# Altium PCB BCS1_REV2.2.PcbDoc (part 1 of 4) (continued)
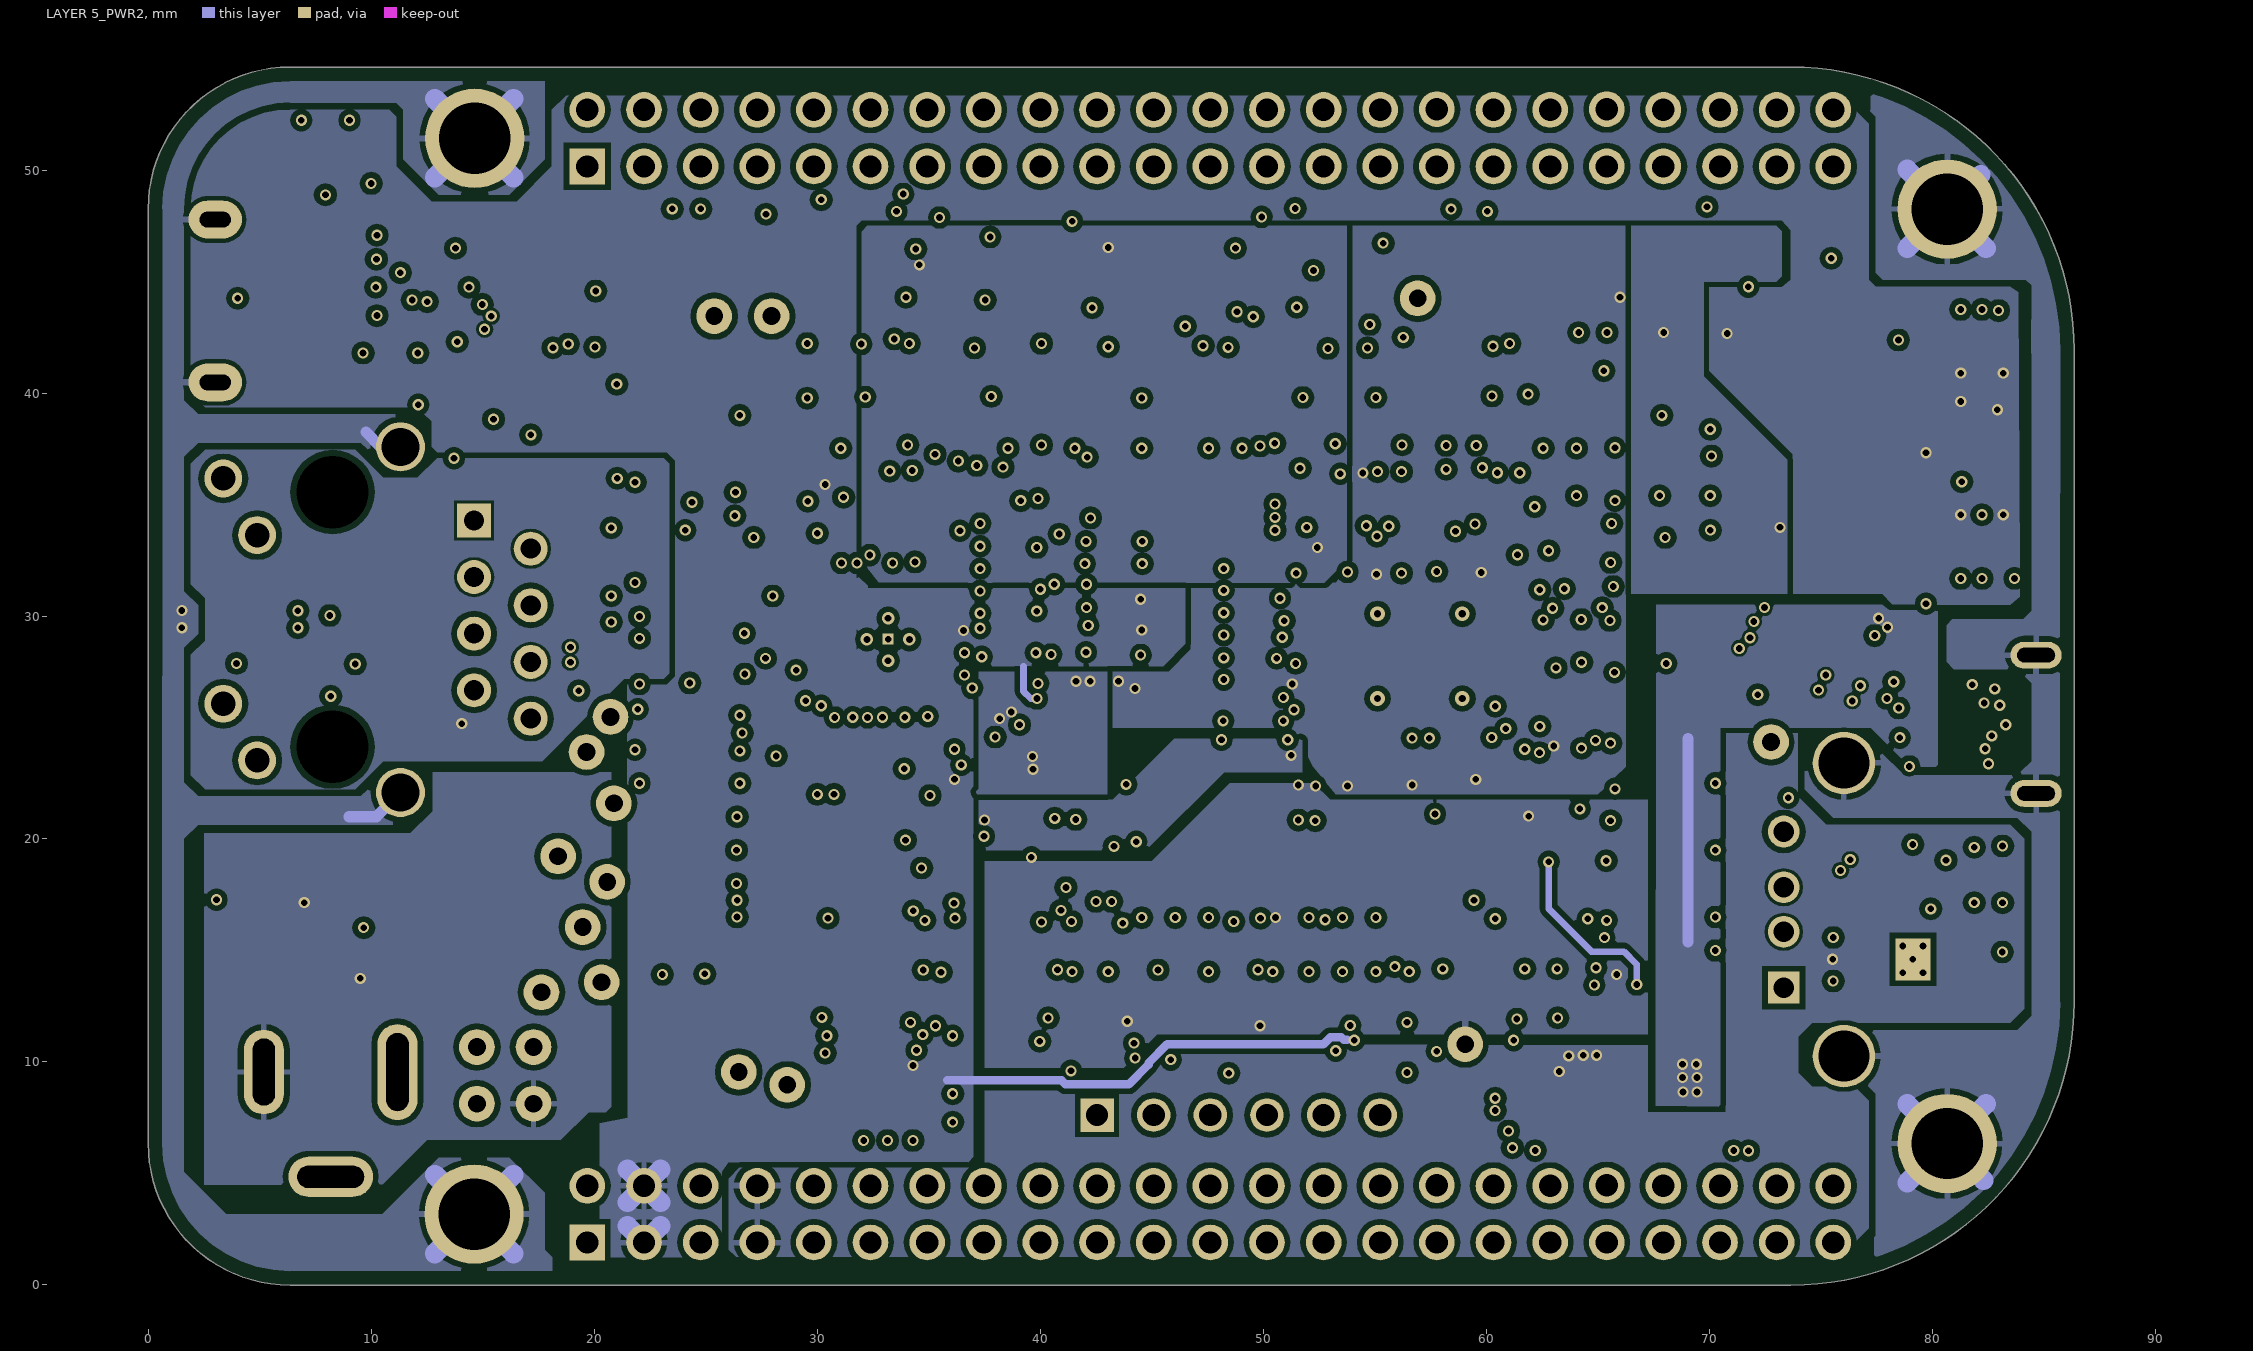
[diagram p5: LAYER 5_PWR2]
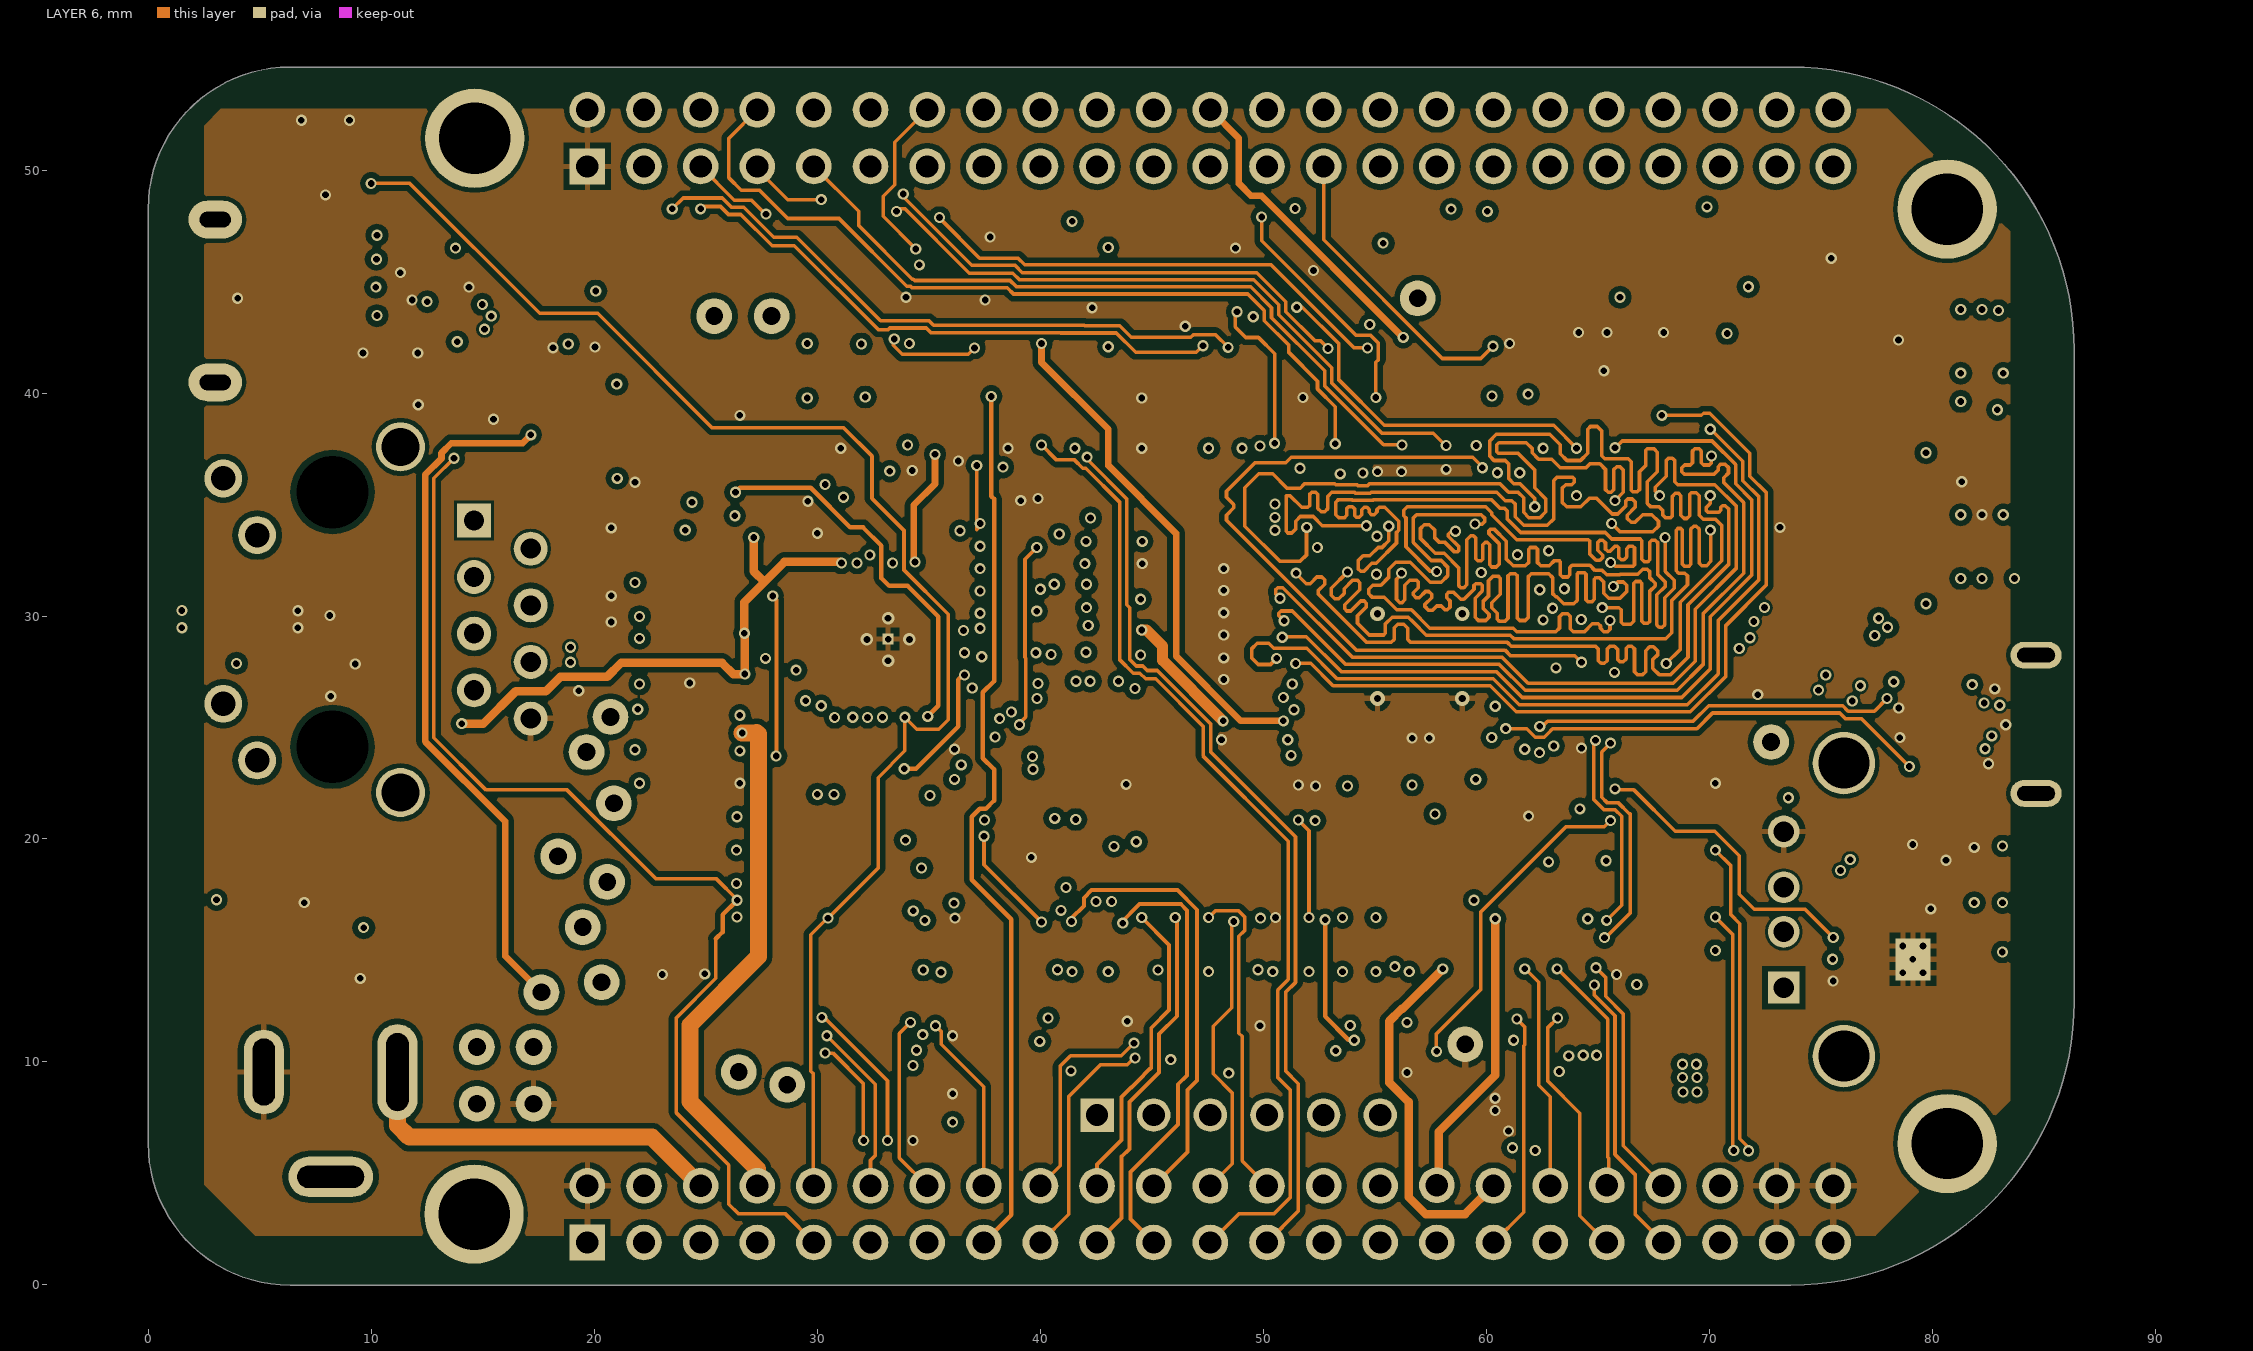
[diagram p6: LAYER 6]
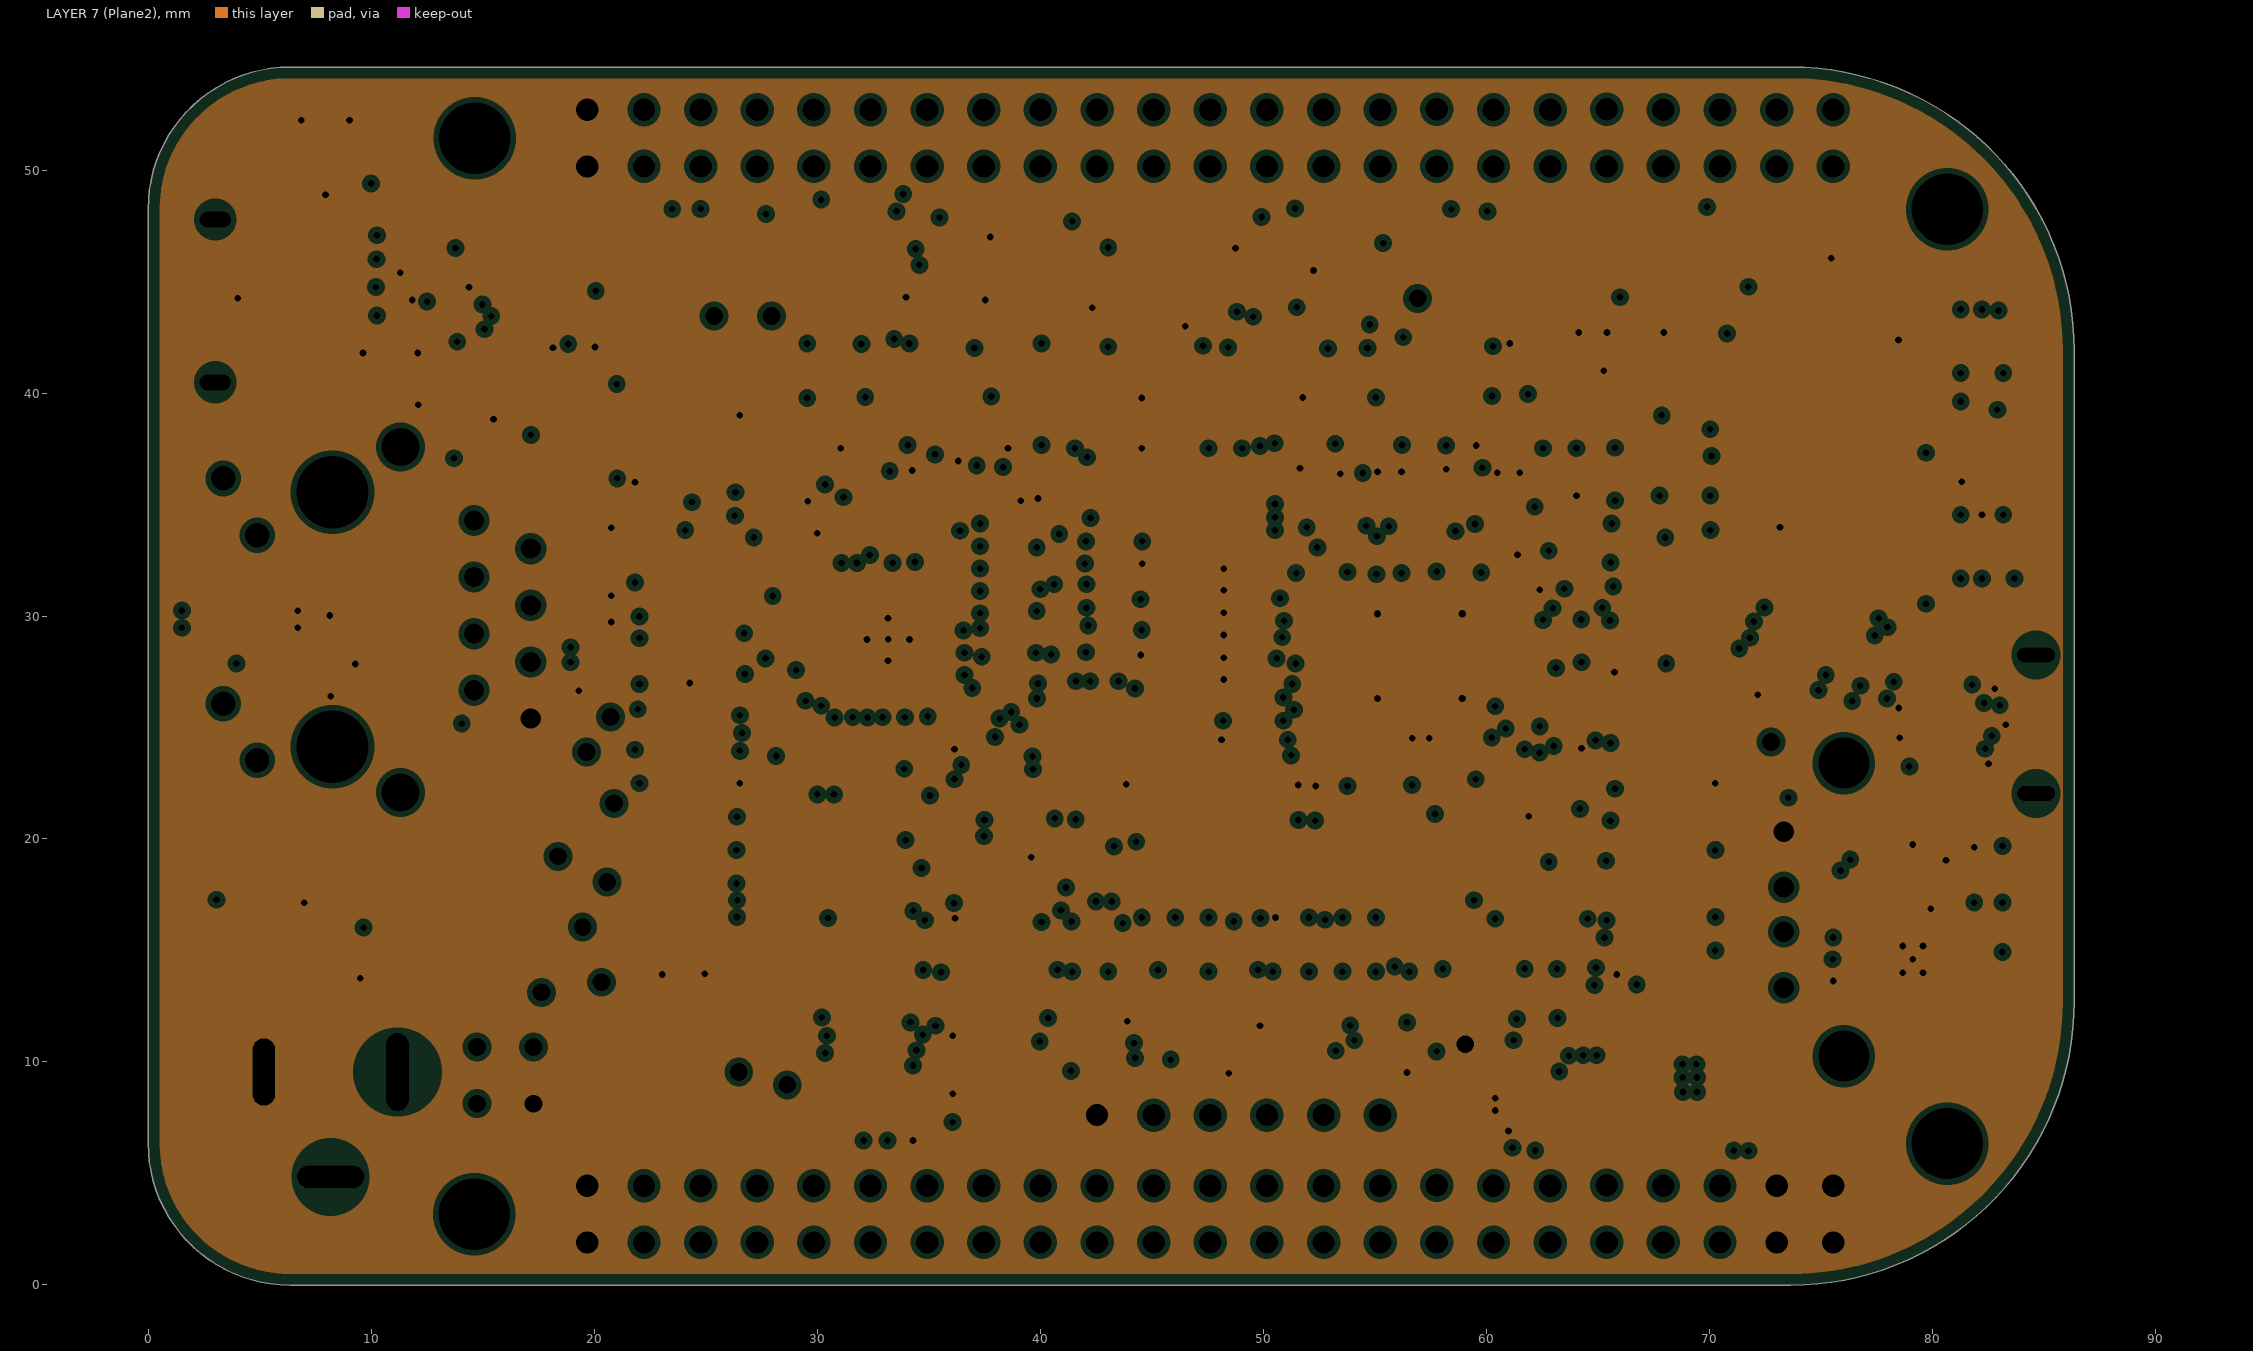
[diagram p7: LAYER 7 (Plane2), clearances drawn from the general rule]
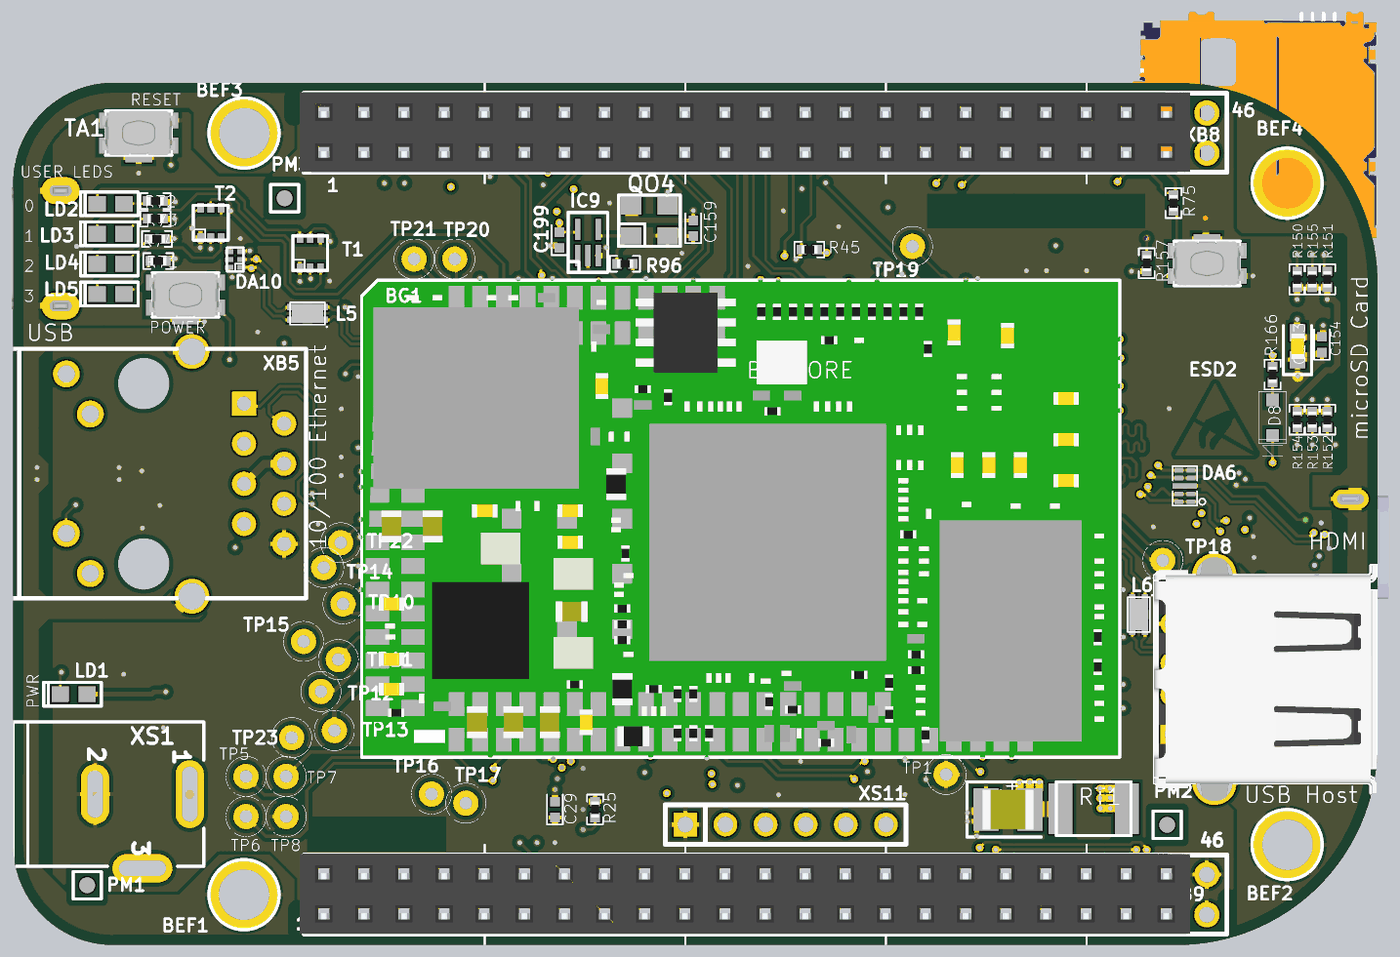
[diagram p11: 3D render of the assembled board from above, using the file's embedded part models]
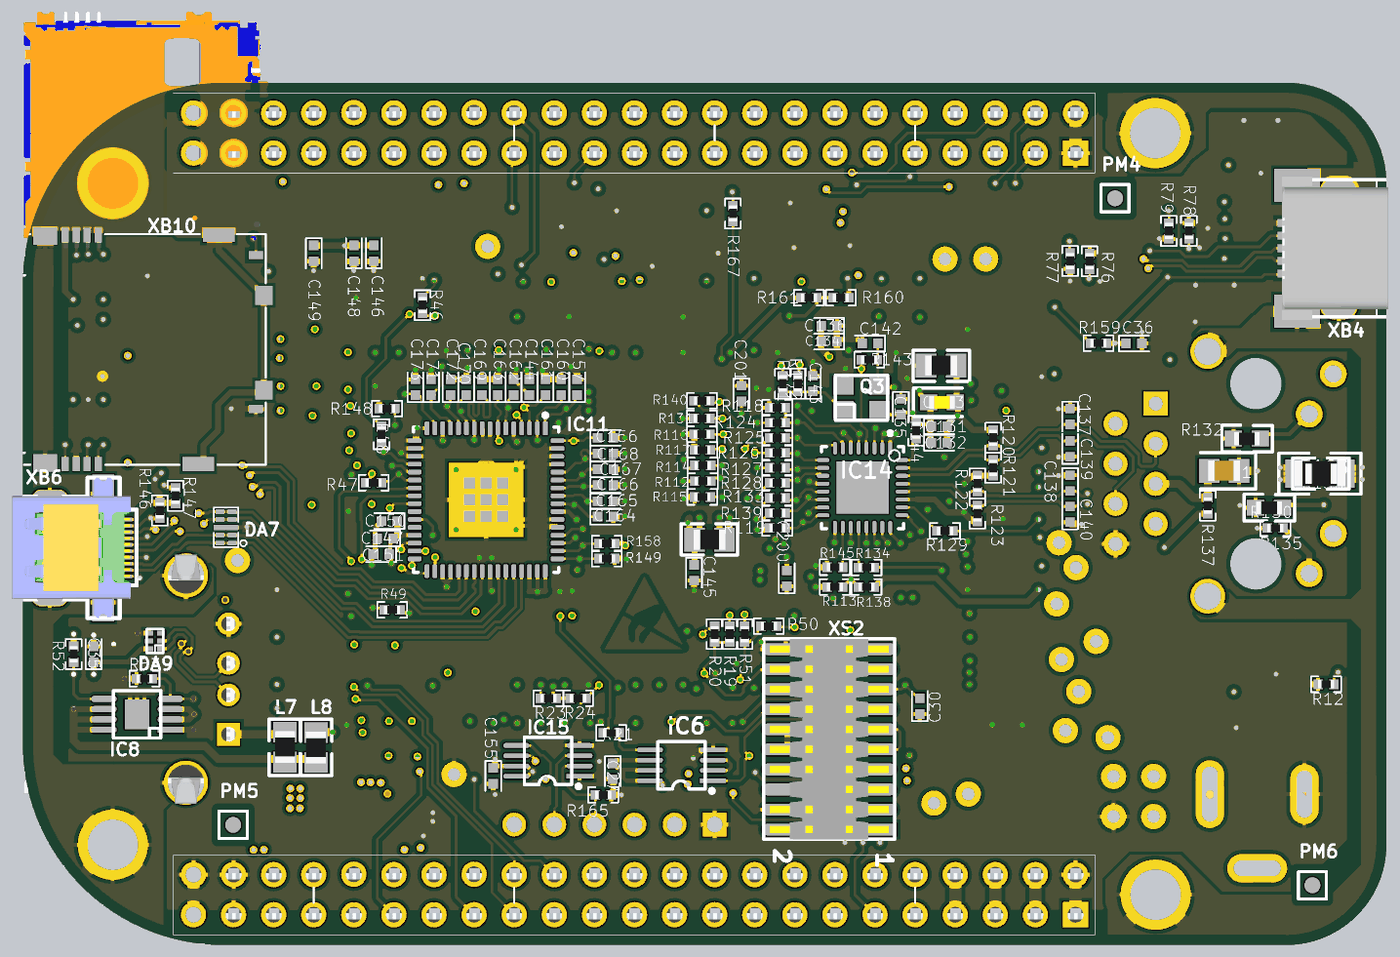
[diagram p12: 3D render of the assembled board from below, using the file's embedded part models]

## Layer stack, top to bottom
Top Solder: solder mask 0.0102, Solder Resist, Dk 3.5
TOP: signal copper 0.035
Dielectric1: prepreg 0.122, FR-4, Dk 4.05
LAYER 2 (Plane1): plane copper 0.035
Dielectric9: core 0.25, FR-4, Dk 4.5
LAYER 3: signal copper 0.035
Dielectric3: prepreg 0.2, FR-4, Dk 4.5
LAYER 4_PWR1: signal copper 0.035
Dielectric2: core 0.25, FR-4, Dk 4.8
LAYER 5_PWR2: signal copper 0.035
Dielectric5: prepreg 0.2, FR-4, Dk 4.8
LAYER 6: signal copper 0.035
Dielectric4: core 0.25, FR-4, Dk 4.5
LAYER 7 (Plane2): plane copper 0.035
Dielectric10: prepreg 0.122, FR-4, Dk 4.05
BOTTOM: signal copper 0.035
Bottom Solder: solder mask 0.0102, Solder Resist, Dk 3.5

## Board outline
-0.013,6.35 ccw(c6.35,6.35) 6.35,-0.013 73.66,-0.013 ccw(c73.66,12.7) 86.373,12.7 86.373,41.91 ccw(c73.66,41.91) 73.66,54.623 6.35,54.623 ccw(c6.35,48.26) -0.013,48.26

## Design rules (kind name [scope] priority, off if disabled: settings)
Clearance "DIFF PAIR_90_OHM" [(InDifferentialPairClass('DIFF PAIR_90_OHM')) AND NOT InComponent('XB1')] p1: gap=0.127
Clearance "DIFF PAIR_100_OHM" [(InDifferentialPairClass('DIFF PAIR_100_OHM')) AND NOT InComponent('XB1')] p2: gap=0.127
Clearance "PAIR TO PAIR CLEARENCE" [(InDifferentialPairClass('All Differential Pairs')) AND NOT InComponent('XB1')] p3: gap=0.16
Clearance "Plane to Mechanical1" [OnLayer(mechanical1)] p4: gap=1 // planes to pcb edge
Clearance PE [(InNet('PE*'))] p5: gap=0.2
Clearance "PE to All Nets" [((InNet('DGND')) AND (InNet('PE')))] p6: gap=0.8
Clearance "Polygon GND to All Nets" [(InPolygon AND (InNet('GND')))] p7: gap=0.254
Clearance Clearance_polygon [All vs inpolygon] p8: gap=0.254
Clearance [All] p9: gap=0.16
ComponentClearance [All] p1 off: gap=0.127 collisioncheckmode=3 verticalgap=0.254 showdistances=FALSE
DiffPairsRouting DiffPair_90_OHM [InDifferentialPairClass('DIFF PAIR_90_OHM')] p1: maxlimit=0.155 minlimit=0.12 mostfreqgap=0.154 toplayer_maxgap=0.13 toplayer_prefgap=0.12 toplayer_minwidth=0.381 toplayer_maxwidth=0.381 toplayer_prefwidth=0.381 midlayer1_mingap=0 midlayer1_maxgap=0 midlayer1_prefgap=0 midlayer1_minwidth=0.381 midlayer1_maxwidth=0.381 midlayer1_prefwidth=0.381 midlayer2_mingap=0.154 midlayer2_minwidth=0.381 midlayer2_maxwidth=0.381 midlayer2_prefwidth=0.381 midlayer3_mingap=0.154 midlayer3_minwidth=0.381 midlayer3_maxwidth=0.381 midlayer3_prefwidth=0.381 midlayer4_mingap=0 midlayer4_maxgap=0 midlayer4_prefgap=0 midlayer4_minwidth=0.381 midlayer4_maxwidth=0.381 midlayer4_prefwidth=0.381 bottomlayer_maxgap=0.13 bottomlayer_prefgap=0.12 bottomlayer_minwidth=0.381 bottomlayer_maxwidth=0.381 bottomlayer_prefwidth=0.381 maxuncoupledlength=12.7
DiffPairsRouting DiffPair_100_OHM [InDifferentialPairClass('DIFF PAIR_100_OHM')] p2: maxlimit=2.343 minlimit=-0.044 mostfreqgap=0 toplayer_maxgap=0.868 toplayer_prefgap=-0.044 toplayer_minwidth=0.381 toplayer_maxwidth=0.381 toplayer_prefwidth=0.381 midlayer1_prefgap=-0.044 midlayer1_minwidth=0.381 midlayer1_maxwidth=0.381 midlayer1_prefwidth=0.381 midlayer2_maxgap=1.227 midlayer2_prefgap=-0.044 midlayer2_minwidth=0.381 midlayer2_maxwidth=0.381 midlayer2_prefwidth=0.381 midlayer3_maxgap=1.227 midlayer3_prefgap=-0.044 midlayer3_minwidth=0.381 midlayer3_maxwidth=0.381 midlayer3_prefwidth=0.381 midlayer4_prefgap=-0.044 midlayer4_minwidth=0.381 midlayer4_maxwidth=0.381 midlayer4_prefwidth=0.381 bottomlayer_maxgap=0.868 bottomlayer_prefgap=-0.044 bottomlayer_minwidth=0.381 bottomlayer_maxwidth=0.381 bottomlayer_prefwidth=0.381 maxuncoupledlength=12.7
FabricationTestPointUsage TestPointUsage [All] p1: valid=0 allowmultiple=FALSE
FabricationTestpoint Testpoint [All] p1: side=3 testpointundercomponent=TRUE minsize=1.016 maxsize=2.54 preferedsize=1.524 minholesize=0 maxholesize=1.016 preferedholesize=0.813 testpointgrid=0.025 allowsidetop=TRUE allowsidebottom=TRUE usegrid=TRUE gridtolerance=0
Height [All] p1 off: minheight=0 maxheight=25.4 prefheight=12.7
HoleSize [All] p1 off: absolutevalues=TRUE maxlimit=5 minlimit=0.025 maxpercent=80.000 minpercent=20.000
HoleToHoleClearance [All] p1: gap=0.127 allowstackedmicrovias=TRUE
MatchedLengths MatchedLengths_LCD [InNetclass('LCD')] p1: tolerance=0.1 checknetsindiffpair=FALSE checkdiffpairvsdiffpair=TRUE checkxsignals=TRUE checkothers=TRUE
MatchedLengths MatchedLengths_MII [InNetClass('MII')] p2 off: tolerance=0.1 checknetsindiffpair=FALSE checkdiffpairvsdiffpair=TRUE checkxsignals=TRUE checkothers=TRUE
MatchedLengths MatchedLengths_MMC_1 [InNetClass('MMC1')] p3 off: tolerance=0.1 checknetsindiffpair=FALSE checkdiffpairvsdiffpair=TRUE checkxsignals=TRUE checkothers=TRUE
MatchedLengths MatchedLengths_MMC_0 [InNetclass('MMC0')] p4: tolerance=0.1 checknetsindiffpair=FALSE checkdiffpairvsdiffpair=TRUE checkxsignals=TRUE checkothers=TRUE
MatchedLengths DiffPair_MatchedLengths [InDifferentialPairClass ('All Differential Pairs')] p5: tolerance=2.4 checknetsindiffpair=TRUE checkdiffpairvsdiffpair=FALSE checkxsignals=FALSE checkothers=FALSE
MinimumSolderMaskSliver [All] p1: minsoldermaskwidth=0
PlaneClearance [All] p1: clearance=0.25
PlaneConnect [All] p1: planeconnectstyle=Direct reliefexpansion=0.508 reliefentries=4 reliefconductorwidth=0.254 reliefairgap=0.254
PolygonConnect [InComponentClass('All Components')] p1: connectstyle=Relief reliefconductorwidth=0.254 reliefentries=4 polygonreliefangle="90 Angle" airgapwidth=0.254
PolygonConnect PolygonConnect_Via [All] p2: connectstyle=Direct reliefconductorwidth=0.254 reliefentries=4 polygonreliefangle="90 Angle" airgapwidth=0.254
RoutingVias [All] p1: holewidth=0.3 width=0.5 viastyle="Through Hole" minholewidth=0.3 minwidth=0.5 maxholewidth=0.35 maxwidth=0.7
SilkToSilkClearance [All] p1 off: silktosilkclearance=0.127
SilkToSolderMaskClearance [IsPad] p1 off: minsilkscreentomaskgap=0.127 clearancetoexposedcopper=TRUE
SolderMaskExpansion SolderMaskExpansion_VIA [IsVia] p1: expansion=-0.5
SolderMaskExpansion [All] p2: expansion=0.102
Width "DIFF PAIR_100" [(InDifferentialPairClass('DIFF PAIR_100_OHM'))] p1: maxlimit=0.178 minlimit=0.1 preferedwidth=0.177 toplayer_minwidth=0.176 midlayer1_minwidth=0 midlayer1_maxwidth=0 midlayer1_prefwidth=0 midlayer2_maxwidth=0.12 midlayer2_prefwidth=0.11 midlayer3_maxwidth=0.12 midlayer3_prefwidth=0.11 midlayer4_minwidth=0 midlayer4_maxwidth=0 midlayer4_prefwidth=0 bottomlayer_minwidth=0.176 minimp=50.000000 maximp=50.000000 favimp=50.000000
Width "DIFF PAIR_90" [(InDifferentialPairClass('DIFF PAIR_90_OHM'))] p2: maxlimit=0.178 minlimit=0.1 preferedwidth=0.177 toplayer_minwidth=0.176 midlayer1_minwidth=0 midlayer1_maxwidth=0 midlayer1_prefwidth=0 midlayer2_maxwidth=0.12 midlayer2_prefwidth=0.11 midlayer3_maxwidth=0.12 midlayer3_prefwidth=0.11 midlayer4_minwidth=0 midlayer4_maxwidth=0 midlayer4_prefwidth=0 bottomlayer_minwidth=0.176 minimp=50.000000 maximp=50.000000 favimp=50.000000
Width "CASE WIDTH" [All] p3 off: maxlimit=2 minlimit=0.16 preferedwidth=0.5
Width GND [All] p4 off: maxlimit=1 minlimit=0.16 preferedwidth=0.3
Width 3V3 [All] p5 off: maxlimit=3 minlimit=0.16 preferedwidth=0.3 minimp=50.000000 maximp=50.000000 favimp=50.000000
Width VCC [All] p6 off: maxlimit=0.5 minlimit=0.16 preferedwidth=0.3
Width [All] p7 off: maxlimit=3 minlimit=0.13 preferedwidth=0.16 midlayer1_minwidth=0.16 midlayer4_minwidth=0.16 minimp=50.000000 maximp=50.000000 favimp=50.000000
18 further rules are at their usual default settings.

## Classes and differential pairs
net class USB_1: USB1_CE USB1_D_N USB1_D_P USB1_DRVVBUS USB1_OCN
net class USB_0: USB0_CE USB0_DRVVBUS USB0_ID USB0_VBUS
net class MMC1: MMC1_CLK MMC1_DAT0 MMC1_DAT1 MMC1_DAT2 MMC1_DAT3 MMC1_DAT4 MMC1_DAT5 MMC1_DAT6 MMC1_DAT7
net class MMC0: MMC0_CLKO MMC0_CMD MMC0_DAT0 MMC0_DAT1 MMC0_DAT2 MMC0_DAT3
net class MII: MII1_COL MII1_CRS_DV MII1_REFCLK MII1_RXCLK MII1_RXD0 MII1_RXD1 MII1_RXD2 MII1_RXD3 MII1_RXDV MII1_RXERR MII1_TXCLK MII1_TXD0 MII1_TXD1 MII1_TXD2 MII1_TXD3 MII1_TXEN
net class JTAG: JTAG_EMU0 JTAG_EMU1 JTAG_TCK JTAG_TDI JTAG_TDO JTAG_TMS JTAG_TRSTN VDD_3V3B
differential pair class "DIFF PAIR_90_OHM": USB0 USB0_D USB1 USB1_D
differential pair class "DIFF PAIR_100_OHM": HDMI_TX0 HDMI_TX1 HDMI_TX2 HDMI_TXC RX TX
component class "P01_BCS1_Power BBCore": BEF1 BEF2 BEF3 BEF4 ESD1 ESD2 LD1 R12 R75 TA1 TA2 TA3 TP1 TP5 TP6 TP7 TP8 XS1
component class "P03_BCS1_USB, Serial, uSD": C34 C35 C36 C153 C154 C155 DA9 DA10 IC8 IC15 L5 L6 L7 L8 R49 R50 R51 R52 R53 R150 R151 R152 R153 R154 R155 R157 R159 R165 XB3 XB4 XB10 XS11
component class "P02_BCS1_JTAG, Clock, LED": C27 C29 C30 C159 C199 IC6 IC9 LD2 LD3 LD4 LD5 QO4 R19 R20 R21 R23 R24 R25 R71 R72 R73 R74 R76 R77 R78 R79 R96 R160 R161 R167 T1 T2 XS2
component class P05_BCS1_Ethernet: C131 C132 C133 C134 C135 C136 C137 C138 C139 C140 C141 C142 C143 IC14 L4 Q3 R112 R113 R114 R115 R116 R117 R118 R119 R120 R121 R122 R123 R124 R125 R126 R127 R128 R129 R130 R131 R132 R133 R134 R135 R136 R137 R138 R139 R140 R141 R142 R143 R144 R145 R163 XB5
component class "P06_BCS1_HDMI Framer": C144 C145 C146 C147 C148 C149 C150 C151 C156 C157 C160 C161 C162 C163 C164 C165 C166 C167 C168 C169 C170 C171 C172 C173 D8 DA6 DA7 IC11 L3 R45 R46 R47 R48 R146 R147 R148 R149 R158 R166 RT1 XB6
component class "P07_BCS1_Exp Conn": XB8 XB9
component class "P04_BCS1_Core Connector": BG1 C200 C201 TP10 TP11 TP12 TP13 TP14 TP15 TP16 TP17 TP18 TP19 TP20 TP21 TP22 TP23
component class "P08_BCS1_Revision Page": PM1 PM2 PM3 PM4 PM5 PM6
differential pair TX: +TX_P -TX_N
differential pair RX: +RX_P -RX_N
differential pair USB1: +USB1_P -USB1_N
differential pair USB0: +USB0_P -USB0_N
differential pair HDMI_TXC: +HDMI_TXC_P -HDMI_TXC_N
differential pair HDMI_TX2: +HDMI_TX2_P -HDMI_TX2_N
differential pair HDMI_TX1: +HDMI_TX1_P -HDMI_TX1_N
differential pair HDMI_TX0: +HDMI_TX0_P -HDMI_TX0_N
differential pair USB0_D: +USB0_D_P -USB0_D_N
differential pair USB1_D: +USB1_D_P -USB1_D_N
